# Altium PCB Tag201_GangProgrammerRev1.PcbDoc (part 2 of 7) (continued)
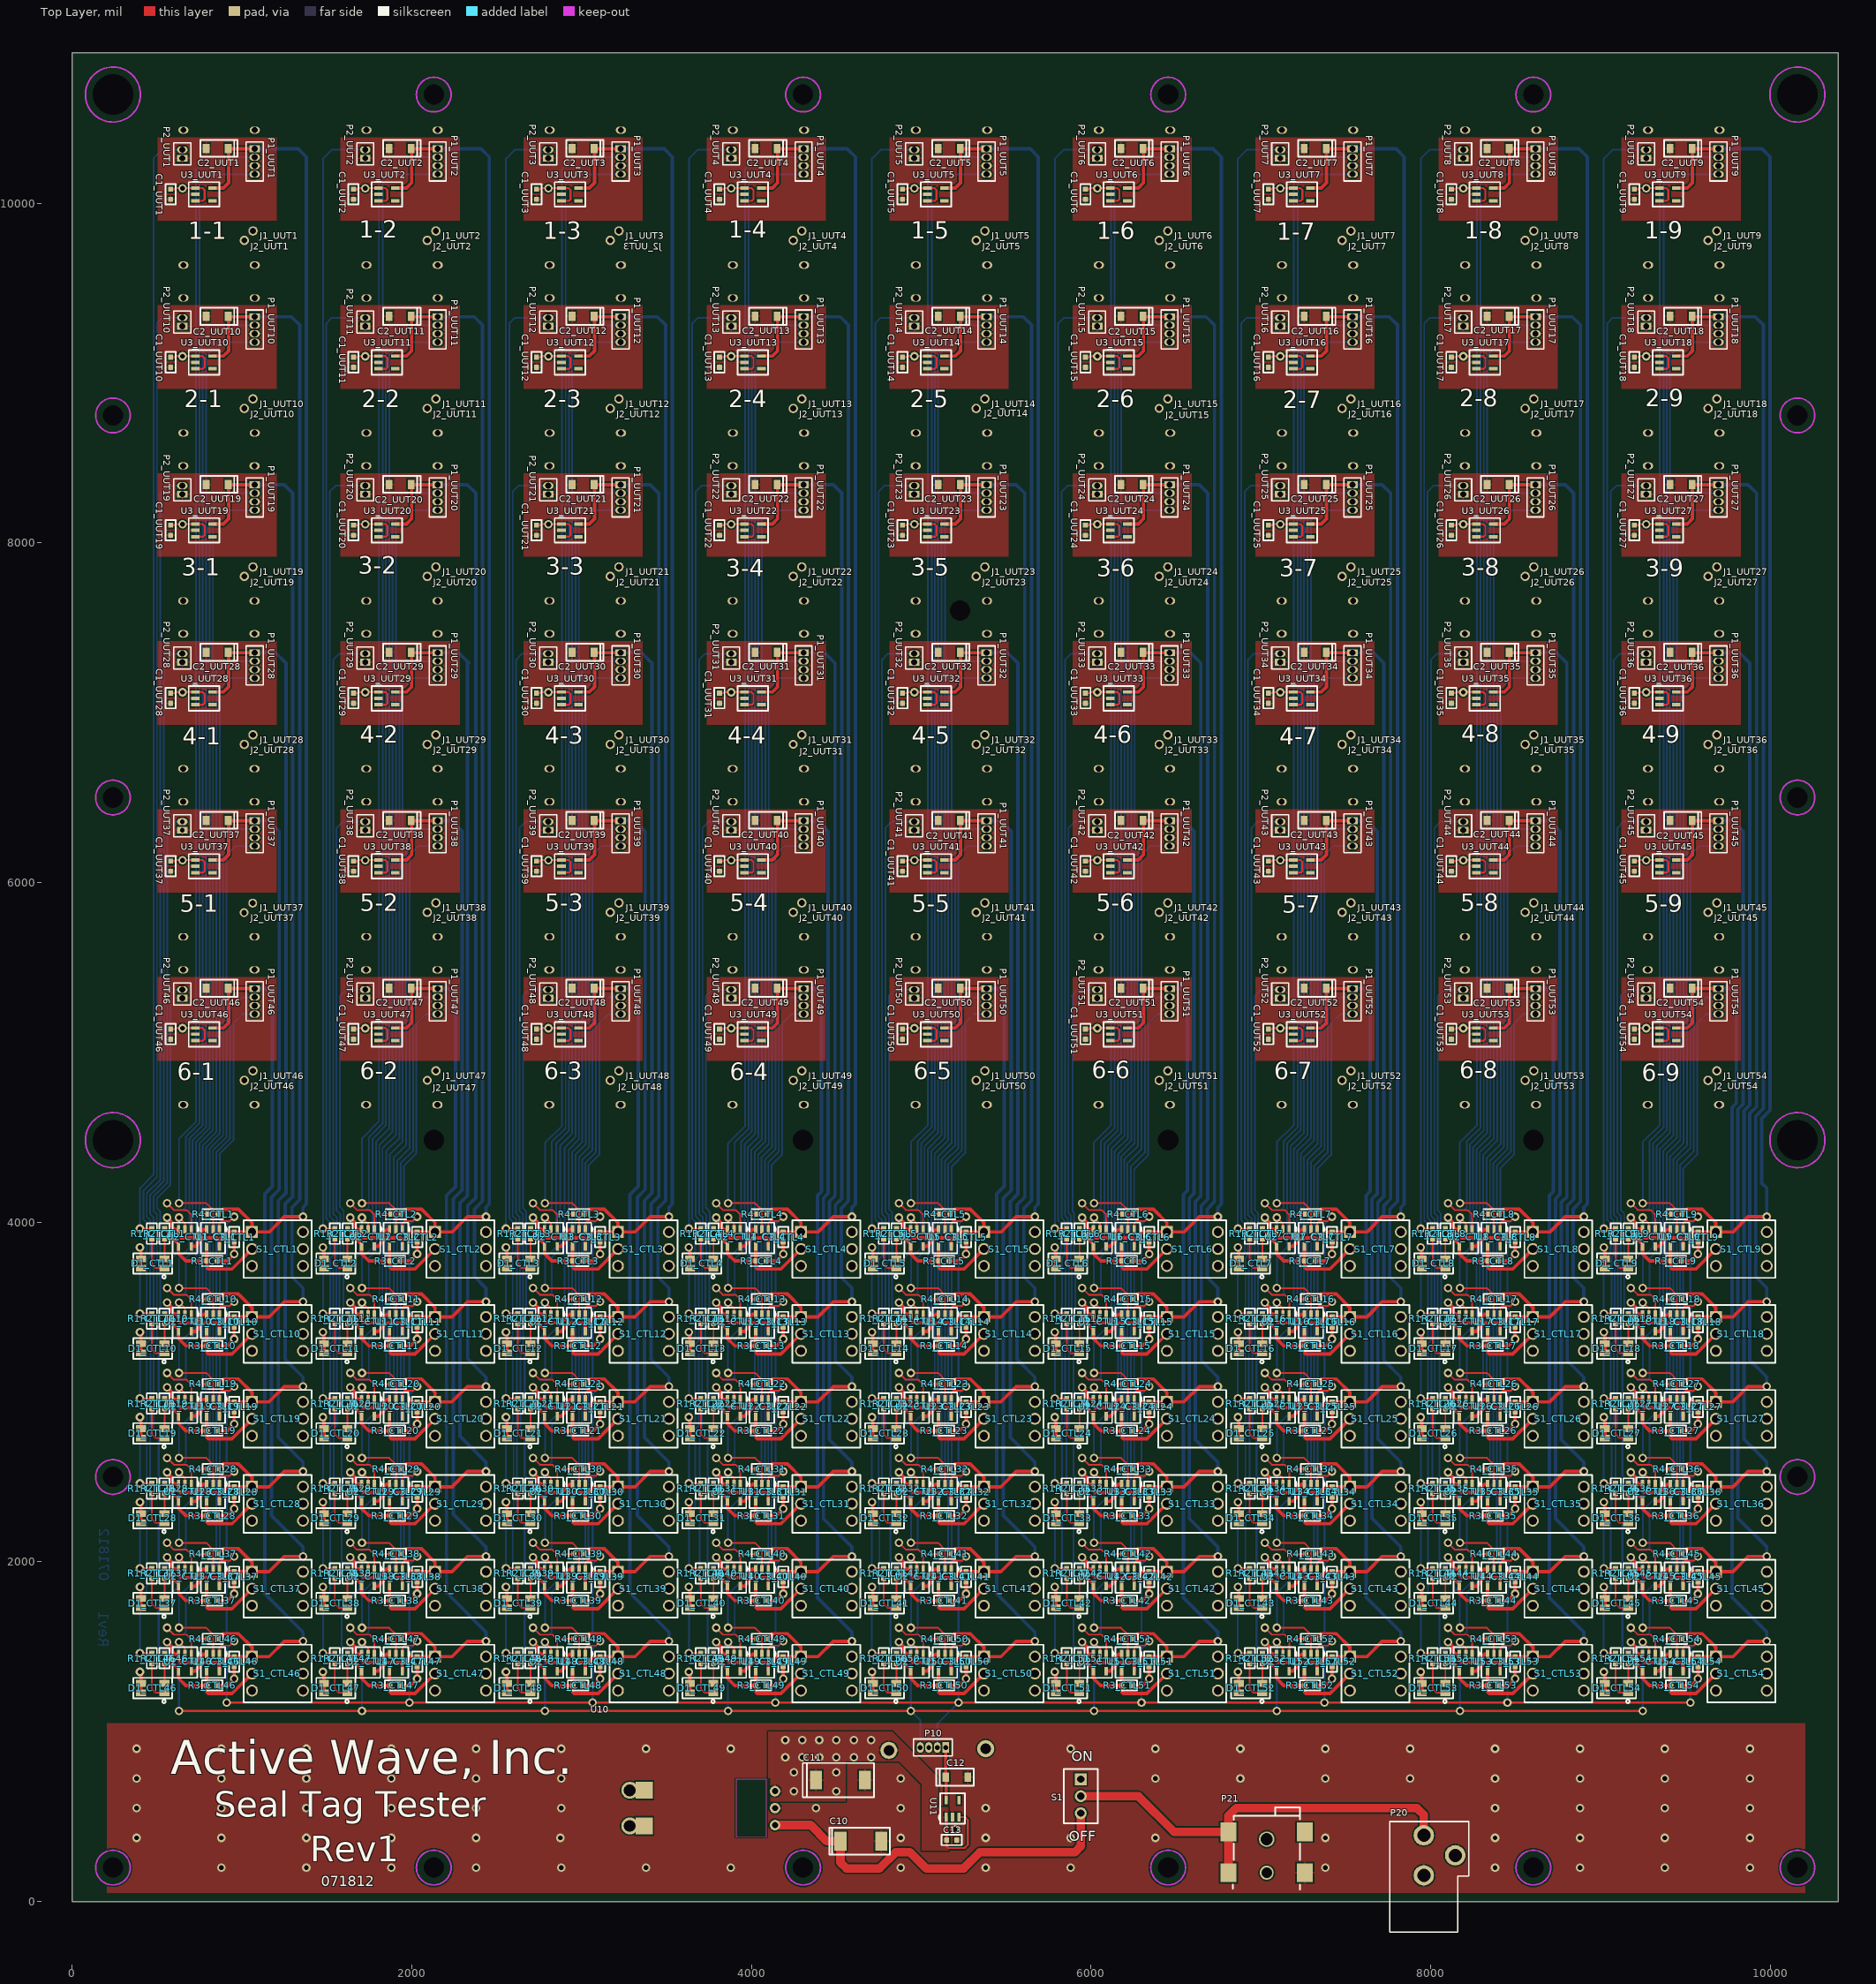
[diagram p0: Top Layer view]
## Components (designator, comment, footprint, x,y, rotation, side; value= is the part's Value field where it differs from the comment) (continued)
P2_UUT12 "1x2 50mil" "1X2 HEADER_50MIL_081611"#1 2803.5,9275 r90 top (schematic designator P2)
P2_UUT13 "1x2 50mil" "1X2 HEADER_50MIL_081611"#1 3881,9275 r90 top (schematic designator P2)
P2_UUT14 "1x2 50mil" "1X2 HEADER_50MIL_081611"#1 4958.5,9275 r90 top (schematic designator P2)
P2_UUT15 "1x2 50mil" "1X2 HEADER_50MIL_081611"#1 6036,9275 r90 top (schematic designator P2)
P2_UUT16 "1x2 50mil" "1X2 HEADER_50MIL_081611"#1 7113.5,9275 r90 top (schematic designator P2)
P2_UUT17 "1x2 50mil" "1X2 HEADER_50MIL_081611"#1 8191,9275 r90 top (schematic designator P2)
P2_UUT18 "1x2 50mil" "1X2 HEADER_50MIL_081611"#1 9268.5,9275 r90 top (schematic designator P2)
P2_UUT19 "1x2 50mil" "1X2 HEADER_50MIL_081611"#1 648.5,8286 r90 top (schematic designator P2)
P2_UUT20 "1x2 50mil" "1X2 HEADER_50MIL_081611"#1 1726,8286 r90 top (schematic designator P2)
P2_UUT21 "1x2 50mil" "1X2 HEADER_50MIL_081611"#1 2803.5,8286 r90 top (schematic designator P2)
P2_UUT22 "1x2 50mil" "1X2 HEADER_50MIL_081611"#1 3881,8286 r90 top (schematic designator P2)
P2_UUT23 "1x2 50mil" "1X2 HEADER_50MIL_081611"#1 4958.5,8286 r90 top (schematic designator P2)
P2_UUT24 "1x2 50mil" "1X2 HEADER_50MIL_081611"#1 6036,8286 r90 top (schematic designator P2)
P2_UUT25 "1x2 50mil" "1X2 HEADER_50MIL_081611"#1 7113.5,8286 r90 top (schematic designator P2)
P2_UUT26 "1x2 50mil" "1X2 HEADER_50MIL_081611"#1 8191,8286 r90 top (schematic designator P2)
P2_UUT27 "1x2 50mil" "1X2 HEADER_50MIL_081611"#1 9268.5,8286 r90 top (schematic designator P2)
P2_UUT28 "1x2 50mil" "1X2 HEADER_50MIL_081611"#1 648.5,7297 r90 top (schematic designator P2)
P2_UUT29 "1x2 50mil" "1X2 HEADER_50MIL_081611"#1 1726,7297 r90 top (schematic designator P2)
P2_UUT30 "1x2 50mil" "1X2 HEADER_50MIL_081611"#1 2803.5,7297 r90 top (schematic designator P2)
P2_UUT31 "1x2 50mil" "1X2 HEADER_50MIL_081611"#1 3881,7297 r90 top (schematic designator P2)
P2_UUT32 "1x2 50mil" "1X2 HEADER_50MIL_081611"#1 4958.5,7297 r90 top (schematic designator P2)
P2_UUT33 "1x2 50mil" "1X2 HEADER_50MIL_081611"#1 6036,7297 r90 top (schematic designator P2)
P2_UUT34 "1x2 50mil" "1X2 HEADER_50MIL_081611"#1 7113.5,7297 r90 top (schematic designator P2)
P2_UUT35 "1x2 50mil" "1X2 HEADER_50MIL_081611"#1 8191,7297 r90 top (schematic designator P2)
P2_UUT36 "1x2 50mil" "1X2 HEADER_50MIL_081611"#1 9268.5,7297 r90 top (schematic designator P2)
P2_UUT37 "1x2 50mil" "1X2 HEADER_50MIL_081611"#2 648.5,6308 r90 top (schematic designator P2)
P2_UUT38 "1x2 50mil" "1X2 HEADER_50MIL_081611"#1 1726,6308 r90 top (schematic designator P2)
P2_UUT39 "1x2 50mil" "1X2 HEADER_50MIL_081611"#1 2803.5,6308 r90 top (schematic designator P2)
P2_UUT40 "1x2 50mil" "1X2 HEADER_50MIL_081611"#1 3881,6308 r90 top (schematic designator P2)
P2_UUT41 "1x2 50mil" "1X2 HEADER_50MIL_081611"#1 4958.5,6308 r90 top (schematic designator P2)
P2_UUT42 "1x2 50mil" "1X2 HEADER_50MIL_081611"#1 6036,6308 r90 top (schematic designator P2)
P2_UUT43 "1x2 50mil" "1X2 HEADER_50MIL_081611"#1 7113.5,6308 r90 top (schematic designator P2)
P2_UUT44 "1x2 50mil" "1X2 HEADER_50MIL_081611"#1 8191,6308 r90 top (schematic designator P2)
P2_UUT45 "1x2 50mil" "1X2 HEADER_50MIL_081611"#1 9268.5,6308 r90 top (schematic designator P2)
P2_UUT46 "1x2 50mil" "1X2 HEADER_50MIL_081611"#1 648.5,5319 r90 top (schematic designator P2)
P2_UUT47 "1x2 50mil" "1X2 HEADER_50MIL_081611"#1 1726,5319 r90 top (schematic designator P2)
P2_UUT48 "1x2 50mil" "1X2 HEADER_50MIL_081611"#1 2803.5,5319 r90 top (schematic designator P2)
P2_UUT49 "1x2 50mil" "1X2 HEADER_50MIL_081611"#1 3881,5319 r90 top (schematic designator P2)
P2_UUT50 "1x2 50mil" "1X2 HEADER_50MIL_081611"#1 4958.5,5319 r90 top (schematic designator P2)
P2_UUT51 "1x2 50mil" "1X2 HEADER_50MIL_081611"#1 6036,5319 r90 top (schematic designator P2)
P2_UUT52 "1x2 50mil" "1X2 HEADER_50MIL_081611"#1 7113.5,5319 r90 top (schematic designator P2)
P2_UUT53 "1x2 50mil" "1X2 HEADER_50MIL_081611"#1 8191,5319 r90 top (schematic designator P2)
P2_UUT54 "1x2 50mil" "1X2 HEADER_50MIL_081611"#1 9268.5,5319 r90 top (schematic designator P2)
P10 "1x4 50mil" "1X4 HEADER_50mil_071411"#2 5144,907 r180 top
P20 "CON3" "POWER JACK_SMALLHOLE_022110" 7959,390 r0 top
P21 "CON3" "POWER JACK_SMT_071312" 7034,170 r0 top
R1_CTL1 "130" 0603_072205 469,3932 r90 top (schematic designator R1)
R1_CTL2 "130" 0603_072205 1546.5,3932 r90 top (schematic designator R1)
R1_CTL3 "130" 0603_072205 2624,3932 r90 top (schematic designator R1)
R1_CTL4 "130" 0603_072205 3701.5,3932 r90 top (schematic designator R1)
R1_CTL5 "130" 0603_072205 4779,3932 r90 top (schematic designator R1)
R1_CTL6 "130" 0603_072205 5856.5,3932 r90 top (schematic designator R1)
R1_CTL7 "130" 0603_072205 6934,3932 r90 top (schematic designator R1)
R1_CTL8 "130" 0603_072205 8011.5,3932 r90 top (schematic designator R1)
R1_CTL9 "130" 0603_072205 9089,3932 r90 top (schematic designator R1)
R1_CTL10 "130" 0603_072205 469,3432 r90 top (schematic designator R1)
R1_CTL11 "130" 0603_072205 1546.5,3432 r90 top (schematic designator R1)
R1_CTL12 "130" 0603_072205 2624,3432 r90 top (schematic designator R1)
R1_CTL13 "130" 0603_072205 3701.5,3432 r90 top (schematic designator R1)
R1_CTL14 "130" 0603_072205 4779,3432 r90 top (schematic designator R1)
R1_CTL15 "130" 0603_072205 5856.5,3432 r90 top (schematic designator R1)
R1_CTL16 "130" 0603_072205 6934,3432 r90 top (schematic designator R1)
R1_CTL17 "130" 0603_072205 8011.5,3432 r90 top (schematic designator R1)
R1_CTL18 "130" 0603_072205 9089,3432 r90 top (schematic designator R1)
R1_CTL19 "130" 0603_072205 469,2932 r90 top (schematic designator R1)
R1_CTL20 "130" 0603_072205 1546.5,2932 r90 top (schematic designator R1)
R1_CTL21 "130" 0603_072205 2624,2932 r90 top (schematic designator R1)
R1_CTL22 "130" 0603_072205 3701.5,2932 r90 top (schematic designator R1)
R1_CTL23 "130" 0603_072205 4779,2932 r90 top (schematic designator R1)
R1_CTL24 "130" 0603_072205 5856.5,2932 r90 top (schematic designator R1)
R1_CTL25 "130" 0603_072205 6934,2932 r90 top (schematic designator R1)
R1_CTL26 "130" 0603_072205 8011.5,2932 r90 top (schematic designator R1)
R1_CTL27 "130" 0603_072205 9089,2932 r90 top (schematic designator R1)
R1_CTL28 "130" 0603_072205 469,2432 r90 top (schematic designator R1)
R1_CTL29 "130" 0603_072205 1546.5,2432 r90 top (schematic designator R1)
R1_CTL30 "130" 0603_072205 2624,2432 r90 top (schematic designator R1)
R1_CTL31 "130" 0603_072205 3701.5,2432 r90 top (schematic designator R1)
R1_CTL32 "130" 0603_072205 4779,2432 r90 top (schematic designator R1)
R1_CTL33 "130" 0603_072205 5856.5,2432 r90 top (schematic designator R1)
R1_CTL34 "130" 0603_072205 6934,2432 r90 top (schematic designator R1)
R1_CTL35 "130" 0603_072205 8011.5,2432 r90 top (schematic designator R1)
R1_CTL36 "130" 0603_072205 9089,2432 r90 top (schematic designator R1)
R1_CTL37 "130" 0603_072205 469,1932 r90 top (schematic designator R1)
R1_CTL38 "130" 0603_072205 1546.5,1932 r90 top (schematic designator R1)
R1_CTL39 "130" 0603_072205 2624,1932 r90 top (schematic designator R1)
R1_CTL40 "130" 0603_072205 3701.5,1932 r90 top (schematic designator R1)
R1_CTL41 "130" 0603_072205 4779,1932 r90 top (schematic designator R1)
R1_CTL42 "130" 0603_072205 5856.5,1932 r90 top (schematic designator R1)
R1_CTL43 "130" 0603_072205 6934,1932 r90 top (schematic designator R1)
R1_CTL44 "130" 0603_072205 8011.5,1932 r90 top (schematic designator R1)
R1_CTL45 "130" 0603_072205 9089,1932 r90 top (schematic designator R1)
R1_CTL46 "130" 0603_072205 469,1432 r90 top (schematic designator R1)
R1_CTL47 "130" 0603_072205 1546.5,1432 r90 top (schematic designator R1)
R1_CTL48 "130" 0603_072205 2624,1432 r90 top (schematic designator R1)
R1_CTL49 "130" 0603_072205 3701.5,1432 r90 top (schematic designator R1)
R1_CTL50 "130" 0603_072205 4779,1432 r90 top (schematic designator R1)
R1_CTL51 "130" 0603_072205 5856.5,1432 r90 top (schematic designator R1)
R1_CTL52 "130" 0603_072205 6934,1432 r90 top (schematic designator R1)
R1_CTL53 "130" 0603_072205 8011.5,1432 r90 top (schematic designator R1)
R1_CTL54 "130" 0603_072205 9089,1432 r90 top (schematic designator R1)
R2_CTL1 "130" 0603_072205 544,3932 r90 top (schematic designator R2)
R2_CTL2 "130" 0603_072205 1621.5,3932 r90 top (schematic designator R2)
R2_CTL3 "130" 0603_072205 2699,3932 r90 top (schematic designator R2)
R2_CTL4 "130" 0603_072205 3776.5,3932 r90 top (schematic designator R2)
R2_CTL5 "130" 0603_072205 4854,3932 r90 top (schematic designator R2)
R2_CTL6 "130" 0603_072205 5931.5,3932 r90 top (schematic designator R2)
R2_CTL7 "130" 0603_072205 7009,3932 r90 top (schematic designator R2)
R2_CTL8 "130" 0603_072205 8086.5,3932 r90 top (schematic designator R2)
R2_CTL9 "130" 0603_072205 9164,3932 r90 top (schematic designator R2)
R2_CTL10 "130" 0603_072205 544,3432 r90 top (schematic designator R2)
R2_CTL11 "130" 0603_072205 1621.5,3432 r90 top (schematic designator R2)
R2_CTL12 "130" 0603_072205 2699,3432 r90 top (schematic designator R2)
R2_CTL13 "130" 0603_072205 3776.5,3432 r90 top (schematic designator R2)
R2_CTL14 "130" 0603_072205 4854,3432 r90 top (schematic designator R2)
R2_CTL15 "130" 0603_072205 5931.5,3432 r90 top (schematic designator R2)
R2_CTL16 "130" 0603_072205 7009,3432 r90 top (schematic designator R2)
R2_CTL17 "130" 0603_072205 8086.5,3432 r90 top (schematic designator R2)
R2_CTL18 "130" 0603_072205 9164,3432 r90 top (schematic designator R2)
R2_CTL19 "130" 0603_072205 544,2932 r90 top (schematic designator R2)
R2_CTL20 "130" 0603_072205 1621.5,2932 r90 top (schematic designator R2)
R2_CTL21 "130" 0603_072205 2699,2932 r90 top (schematic designator R2)
R2_CTL22 "130" 0603_072205 3776.5,2932 r90 top (schematic designator R2)
R2_CTL23 "130" 0603_072205 4854,2932 r90 top (schematic designator R2)
R2_CTL24 "130" 0603_072205 5931.5,2932 r90 top (schematic designator R2)
R2_CTL25 "130" 0603_072205 7009,2932 r90 top (schematic designator R2)
R2_CTL26 "130" 0603_072205 8086.5,2932 r90 top (schematic designator R2)
R2_CTL27 "130" 0603_072205 9164,2932 r90 top (schematic designator R2)
R2_CTL28 "130" 0603_072205 544,2432 r90 top (schematic designator R2)
R2_CTL29 "130" 0603_072205 1621.5,2432 r90 top (schematic designator R2)
R2_CTL30 "130" 0603_072205 2699,2432 r90 top (schematic designator R2)
R2_CTL31 "130" 0603_072205 3776.5,2432 r90 top (schematic designator R2)
R2_CTL32 "130" 0603_072205 4854,2432 r90 top (schematic designator R2)
R2_CTL33 "130" 0603_072205 5931.5,2432 r90 top (schematic designator R2)
R2_CTL34 "130" 0603_072205 7009,2432 r90 top (schematic designator R2)
R2_CTL35 "130" 0603_072205 8086.5,2432 r90 top (schematic designator R2)
R2_CTL36 "130" 0603_072205 9164,2432 r90 top (schematic designator R2)
R2_CTL37 "130" 0603_072205 544,1932 r90 top (schematic designator R2)
R2_CTL38 "130" 0603_072205 1621.5,1932 r90 top (schematic designator R2)
R2_CTL39 "130" 0603_072205 2699,1932 r90 top (schematic designator R2)
R2_CTL40 "130" 0603_072205 3776.5,1932 r90 top (schematic designator R2)
R2_CTL41 "130" 0603_072205 4854,1932 r90 top (schematic designator R2)
R2_CTL42 "130" 0603_072205 5931.5,1932 r90 top (schematic designator R2)
R2_CTL43 "130" 0603_072205 7009,1932 r90 top (schematic designator R2)
R2_CTL44 "130" 0603_072205 8086.5,1932 r90 top (schematic designator R2)
R2_CTL45 "130" 0603_072205 9164,1932 r90 top (schematic designator R2)
R2_CTL46 "130" 0603_072205 544,1432 r90 top (schematic designator R2)
R2_CTL47 "130" 0603_072205 1621.5,1432 r90 top (schematic designator R2)
R2_CTL48 "130" 0603_072205 2699,1432 r90 top (schematic designator R2)
R2_CTL49 "130" 0603_072205 3776.5,1432 r90 top (schematic designator R2)
R2_CTL50 "130" 0603_072205 4854,1432 r90 top (schematic designator R2)
R2_CTL51 "130" 0603_072205 5931.5,1432 r90 top (schematic designator R2)
R2_CTL52 "130" 0603_072205 7009,1432 r90 top (schematic designator R2)
R2_CTL53 "130" 0603_072205 8086.5,1432 r90 top (schematic designator R2)
R2_CTL54 "130" 0603_072205 9164,1432 r90 top (schematic designator R2)
R3_CTL1 "1K" 0603_072205 824,3772 r0 top (schematic designator R3)
R3_CTL2 "1K" 0603_072205 1901.5,3772 r0 top (schematic designator R3)
R3_CTL3 "1K" 0603_072205 2979,3772 r0 top (schematic designator R3)
R3_CTL4 "1K" 0603_072205 4056.5,3772 r0 top (schematic designator R3)
R3_CTL5 "1K" 0603_072205 5134,3772 r0 top (schematic designator R3)
R3_CTL6 "1K" 0603_072205 6211.5,3772 r0 top (schematic designator R3)
R3_CTL7 "1K" 0603_072205 7289,3772 r0 top (schematic designator R3)
R3_CTL8 "1K" 0603_072205 8366.5,3772 r0 top (schematic designator R3)
R3_CTL9 "1K" 0603_072205 9444,3772 r0 top (schematic designator R3)
R3_CTL10 "1K" 0603_072205 824,3272 r0 top (schematic designator R3)
R3_CTL11 "1K" 0603_072205 1901.5,3272 r0 top (schematic designator R3)
R3_CTL12 "1K" 0603_072205 2979,3272 r0 top (schematic designator R3)
R3_CTL13 "1K" 0603_072205 4056.5,3272 r0 top (schematic designator R3)
R3_CTL14 "1K" 0603_072205 5134,3272 r0 top (schematic designator R3)
R3_CTL15 "1K" 0603_072205 6211.5,3272 r0 top (schematic designator R3)
R3_CTL16 "1K" 0603_072205 7289,3272 r0 top (schematic designator R3)
R3_CTL17 "1K" 0603_072205 8366.5,3272 r0 top (schematic designator R3)
R3_CTL18 "1K" 0603_072205 9444,3272 r0 top (schematic designator R3)
R3_CTL19 "1K" 0603_072205 824,2772 r0 top (schematic designator R3)
R3_CTL20 "1K" 0603_072205 1901.5,2772 r0 top (schematic designator R3)
R3_CTL21 "1K" 0603_072205 2979,2772 r0 top (schematic designator R3)
R3_CTL22 "1K" 0603_072205 4056.5,2772 r0 top (schematic designator R3)
R3_CTL23 "1K" 0603_072205 5134,2772 r0 top (schematic designator R3)
R3_CTL24 "1K" 0603_072205 6211.5,2772 r0 top (schematic designator R3)
R3_CTL25 "1K" 0603_072205 7289,2772 r0 top (schematic designator R3)
R3_CTL26 "1K" 0603_072205 8366.5,2772 r0 top (schematic designator R3)
R3_CTL27 "1K" 0603_072205 9444,2772 r0 top (schematic designator R3)
R3_CTL28 "1K" 0603_072205 824,2272 r0 top (schematic designator R3)
R3_CTL29 "1K" 0603_072205 1901.5,2272 r0 top (schematic designator R3)
R3_CTL30 "1K" 0603_072205 2979,2272 r0 top (schematic designator R3)
R3_CTL31 "1K" 0603_072205 4056.5,2272 r0 top (schematic designator R3)
R3_CTL32 "1K" 0603_072205 5134,2272 r0 top (schematic designator R3)
R3_CTL33 "1K" 0603_072205 6211.5,2272 r0 top (schematic designator R3)
R3_CTL34 "1K" 0603_072205 7289,2272 r0 top (schematic designator R3)
R3_CTL35 "1K" 0603_072205 8366.5,2272 r0 top (schematic designator R3)
R3_CTL36 "1K" 0603_072205 9444,2272 r0 top (schematic designator R3)
R3_CTL37 "1K" 0603_072205 824,1772 r0 top (schematic designator R3)
R3_CTL38 "1K" 0603_072205 1901.5,1772 r0 top (schematic designator R3)
R3_CTL39 "1K" 0603_072205 2979,1772 r0 top (schematic designator R3)
R3_CTL40 "1K" 0603_072205 4056.5,1772 r0 top (schematic designator R3)
R3_CTL41 "1K" 0603_072205 5134,1772 r0 top (schematic designator R3)
R3_CTL42 "1K" 0603_072205 6211.5,1772 r0 top (schematic designator R3)
R3_CTL43 "1K" 0603_072205 7289,1772 r0 top (schematic designator R3)
R3_CTL44 "1K" 0603_072205 8366.5,1772 r0 top (schematic designator R3)
R3_CTL45 "1K" 0603_072205 9444,1772 r0 top (schematic designator R3)
R3_CTL46 "1K" 0603_072205 824,1272 r0 top (schematic designator R3)
R3_CTL47 "1K" 0603_072205 1901.5,1272 r0 top (schematic designator R3)
R3_CTL48 "1K" 0603_072205 2979,1272 r0 top (schematic designator R3)
R3_CTL49 "1K" 0603_072205 4056.5,1272 r0 top (schematic designator R3)
R3_CTL50 "1K" 0603_072205 5134,1272 r0 top (schematic designator R3)
R3_CTL51 "1K" 0603_072205 6211.5,1272 r0 top (schematic designator R3)
R3_CTL52 "1K" 0603_072205 7289,1272 r0 top (schematic designator R3)
R3_CTL53 "1K" 0603_072205 8366.5,1272 r0 top (schematic designator R3)
R3_CTL54 "1K" 0603_072205 9444,1272 r0 top (schematic designator R3)
R4_CTL1 "1K" 0603_072205 829,4047 r180 top (schematic designator R4)
R4_CTL2 "1K" 0603_072205 1906.5,4047 r180 top (schematic designator R4)
R4_CTL3 "1K" 0603_072205 2984,4047 r180 top (schematic designator R4)
R4_CTL4 "1K" 0603_072205 4061.5,4047 r180 top (schematic designator R4)
R4_CTL5 "1K" 0603_072205 5139,4047 r180 top (schematic designator R4)
R4_CTL6 "1K" 0603_072205 6216.5,4047 r180 top (schematic designator R4)
R4_CTL7 "1K" 0603_072205 7294,4047 r180 top (schematic designator R4)
R4_CTL8 "1K" 0603_072205 8371.5,4047 r180 top (schematic designator R4)
R4_CTL9 "1K" 0603_072205 9449,4047 r180 top (schematic designator R4)
R4_CTL10 "1K" 0603_072205 829,3547 r180 top (schematic designator R4)
R4_CTL11 "1K" 0603_072205 1906.5,3547 r180 top (schematic designator R4)
R4_CTL12 "1K" 0603_072205 2984,3547 r180 top (schematic designator R4)
R4_CTL13 "1K" 0603_072205 4061.5,3547 r180 top (schematic designator R4)
R4_CTL14 "1K" 0603_072205 5139,3547 r180 top (schematic designator R4)
R4_CTL15 "1K" 0603_072205 6216.5,3547 r180 top (schematic designator R4)
R4_CTL16 "1K" 0603_072205 7294,3547 r180 top (schematic designator R4)
R4_CTL17 "1K" 0603_072205 8371.5,3547 r180 top (schematic designator R4)
R4_CTL18 "1K" 0603_072205 9449,3547 r180 top (schematic designator R4)
R4_CTL19 "1K" 0603_072205 829,3047 r180 top (schematic designator R4)
R4_CTL20 "1K" 0603_072205 1906.5,3047 r180 top (schematic designator R4)
R4_CTL21 "1K" 0603_072205 2984,3047 r180 top (schematic designator R4)
R4_CTL22 "1K" 0603_072205 4061.5,3047 r180 top (schematic designator R4)
R4_CTL23 "1K" 0603_072205 5139,3047 r180 top (schematic designator R4)
R4_CTL24 "1K" 0603_072205 6216.5,3047 r180 top (schematic designator R4)
R4_CTL25 "1K" 0603_072205 7294,3047 r180 top (schematic designator R4)
R4_CTL26 "1K" 0603_072205 8371.5,3047 r180 top (schematic designator R4)
R4_CTL27 "1K" 0603_072205 9449,3047 r180 top (schematic designator R4)
R4_CTL28 "1K" 0603_072205 829,2547 r180 top (schematic designator R4)
R4_CTL29 "1K" 0603_072205 1906.5,2547 r180 top (schematic designator R4)
R4_CTL30 "1K" 0603_072205 2984,2547 r180 top (schematic designator R4)
R4_CTL31 "1K" 0603_072205 4061.5,2547 r180 top (schematic designator R4)
R4_CTL32 "1K" 0603_072205 5139,2547 r180 top (schematic designator R4)
R4_CTL33 "1K" 0603_072205 6216.5,2547 r180 top (schematic designator R4)
R4_CTL34 "1K" 0603_072205 7294,2547 r180 top (schematic designator R4)
R4_CTL35 "1K" 0603_072205 8371.5,2547 r180 top (schematic designator R4)
R4_CTL36 "1K" 0603_072205 9449,2547 r180 top (schematic designator R4)
R4_CTL37 "1K" 0603_072205 829,2047 r180 top (schematic designator R4)
R4_CTL38 "1K" 0603_072205 1906.5,2047 r180 top (schematic designator R4)
R4_CTL39 "1K" 0603_072205 2984,2047 r180 top (schematic designator R4)
R4_CTL40 "1K" 0603_072205 4061.5,2047 r180 top (schematic designator R4)
R4_CTL41 "1K" 0603_072205 5139,2047 r180 top (schematic designator R4)
R4_CTL42 "1K" 0603_072205 6216.5,2047 r180 top (schematic designator R4)
R4_CTL43 "1K" 0603_072205 7294,2047 r180 top (schematic designator R4)
R4_CTL44 "1K" 0603_072205 8371.5,2047 r180 top (schematic designator R4)
R4_CTL45 "1K" 0603_072205 9449,2047 r180 top (schematic designator R4)
R4_CTL46 "1K" 0603_072205 829,1547 r180 top (schematic designator R4)
R4_CTL47 "1K" 0603_072205 1906.5,1547 r180 top (schematic designator R4)
R4_CTL48 "1K" 0603_072205 2984,1547 r180 top (schematic designator R4)
R4_CTL49 "1K" 0603_072205 4061.5,1547 r180 top (schematic designator R4)
R4_CTL50 "1K" 0603_072205 5139,1547 r180 top (schematic designator R4)
R4_CTL51 "1K" 0603_072205 6216.5,1547 r180 top (schematic designator R4)
R4_CTL52 "1K" 0603_072205 7294,1547 r180 top (schematic designator R4)
R4_CTL53 "1K" 0603_072205 8371.5,1547 r180 top (schematic designator R4)
R4_CTL54 "1K" 0603_072205 9449,1547 r180 top (schematic designator R4)
S1 "SPDT" CnK_TseriesSPDT_Toggle_040512 5939,620 r270 top
S1_CTL1 "SPST" SwitchDPDT_6_061412 1209,3842 r0 top (schematic designator S1)
S1_CTL2 "SPST" SwitchDPDT_6_061412 2286.5,3842 r0 top (schematic designator S1)
S1_CTL3 "SPST" SwitchDPDT_6_061412 3364,3842 r0 top (schematic designator S1)
S1_CTL4 "SPST" SwitchDPDT_6_061412 4441.5,3842 r0 top (schematic designator S1)
S1_CTL5 "SPST" SwitchDPDT_6_061412 5519,3842 r0 top (schematic designator S1)
S1_CTL6 "SPST" SwitchDPDT_6_061412 6596.5,3842 r0 top (schematic designator S1)
S1_CTL7 "SPST" SwitchDPDT_6_061412 7674,3842 r0 top (schematic designator S1)
S1_CTL8 "SPST" SwitchDPDT_6_061412 8751.5,3842 r0 top (schematic designator S1)
S1_CTL9 "SPST" SwitchDPDT_6_061412 9829,3842 r0 top (schematic designator S1)
S1_CTL10 "SPST" SwitchDPDT_6_061412 1209,3342 r0 top (schematic designator S1)
S1_CTL11 "SPST" SwitchDPDT_6_061412 2286.5,3342 r0 top (schematic designator S1)
S1_CTL12 "SPST" SwitchDPDT_6_061412 3364,3342 r0 top (schematic designator S1)
S1_CTL13 "SPST" SwitchDPDT_6_061412 4441.5,3342 r0 top (schematic designator S1)
S1_CTL14 "SPST" SwitchDPDT_6_061412 5519,3342 r0 top (schematic designator S1)
S1_CTL15 "SPST" SwitchDPDT_6_061412 6596.5,3342 r0 top (schematic designator S1)
S1_CTL16 "SPST" SwitchDPDT_6_061412 7674,3342 r0 top (schematic designator S1)
S1_CTL17 "SPST" SwitchDPDT_6_061412 8751.5,3342 r0 top (schematic designator S1)
S1_CTL18 "SPST" SwitchDPDT_6_061412 9829,3342 r0 top (schematic designator S1)
S1_CTL19 "SPST" SwitchDPDT_6_061412 1209,2842 r0 top (schematic designator S1)
S1_CTL20 "SPST" SwitchDPDT_6_061412 2286.5,2842 r0 top (schematic designator S1)
S1_CTL21 "SPST" SwitchDPDT_6_061412 3364,2842 r0 top (schematic designator S1)
S1_CTL22 "SPST" SwitchDPDT_6_061412 4441.5,2842 r0 top (schematic designator S1)
S1_CTL23 "SPST" SwitchDPDT_6_061412 5519,2842 r0 top (schematic designator S1)
S1_CTL24 "SPST" SwitchDPDT_6_061412 6596.5,2842 r0 top (schematic designator S1)
S1_CTL25 "SPST" SwitchDPDT_6_061412 7674,2842 r0 top (schematic designator S1)
S1_CTL26 "SPST" SwitchDPDT_6_061412 8751.5,2842 r0 top (schematic designator S1)
S1_CTL27 "SPST" SwitchDPDT_6_061412 9829,2842 r0 top (schematic designator S1)
S1_CTL28 "SPST" SwitchDPDT_6_061412 1209,2342 r0 top (schematic designator S1)
S1_CTL29 "SPST" SwitchDPDT_6_061412 2286.5,2342 r0 top (schematic designator S1)
S1_CTL30 "SPST" SwitchDPDT_6_061412 3364,2342 r0 top (schematic designator S1)
S1_CTL31 "SPST" SwitchDPDT_6_061412 4441.5,2342 r0 top (schematic designator S1)
S1_CTL32 "SPST" SwitchDPDT_6_061412 5519,2342 r0 top (schematic designator S1)
S1_CTL33 "SPST" SwitchDPDT_6_061412 6596.5,2342 r0 top (schematic designator S1)
S1_CTL34 "SPST" SwitchDPDT_6_061412 7674,2342 r0 top (schematic designator S1)
S1_CTL35 "SPST" SwitchDPDT_6_061412 8751.5,2342 r0 top (schematic designator S1)
S1_CTL36 "SPST" SwitchDPDT_6_061412 9829,2342 r0 top (schematic designator S1)
S1_CTL37 "SPST" SwitchDPDT_6_061412 1209,1842 r0 top (schematic designator S1)
S1_CTL38 "SPST" SwitchDPDT_6_061412 2286.5,1842 r0 top (schematic designator S1)
S1_CTL39 "SPST" SwitchDPDT_6_061412 3364,1842 r0 top (schematic designator S1)
S1_CTL40 "SPST" SwitchDPDT_6_061412 4441.5,1842 r0 top (schematic designator S1)
S1_CTL41 "SPST" SwitchDPDT_6_061412 5519,1842 r0 top (schematic designator S1)
S1_CTL42 "SPST" SwitchDPDT_6_061412 6596.5,1842 r0 top (schematic designator S1)
S1_CTL43 "SPST" SwitchDPDT_6_061412 7674,1842 r0 top (schematic designator S1)
S1_CTL44 "SPST" SwitchDPDT_6_061412 8751.5,1842 r0 top (schematic designator S1)
S1_CTL45 "SPST" SwitchDPDT_6_061412 9829,1842 r0 top (schematic designator S1)
S1_CTL46 "SPST" SwitchDPDT_6_061412 1209,1342 r0 top (schematic designator S1)
S1_CTL47 "SPST" SwitchDPDT_6_061412 2286.5,1342 r0 top (schematic designator S1)
S1_CTL48 "SPST" SwitchDPDT_6_061412 3364,1342 r0 top (schematic designator S1)
S1_CTL49 "SPST" SwitchDPDT_6_061412 4441.5,1342 r0 top (schematic designator S1)
S1_CTL50 "SPST" SwitchDPDT_6_061412 5519,1342 r0 top (schematic designator S1)
S1_CTL51 "SPST" SwitchDPDT_6_061412 6596.5,1342 r0 top (schematic designator S1)
S1_CTL52 "SPST" SwitchDPDT_6_061412 7674,1342 r0 top (schematic designator S1)
S1_CTL53 "SPST" SwitchDPDT_6_061412 8751.5,1342 r0 top (schematic designator S1)
S1_CTL54 "SPST" SwitchDPDT_6_061412 9829,1342 r0 top (schematic designator S1)
U1_CTL1 "74LVC1G66" SOT25_030205 829,3907 r90 top (schematic designator U1)
U1_CTL2 "74LVC1G66" SOT25_030205 1906.5,3907 r90 top (schematic designator U1)
U1_CTL3 "74LVC1G66" SOT25_030205 2984,3907 r90 top (schematic designator U1)
U1_CTL4 "74LVC1G66" SOT25_030205 4061.5,3907 r90 top (schematic designator U1)
U1_CTL5 "74LVC1G66" SOT25_030205 5139,3907 r90 top (schematic designator U1)
U1_CTL6 "74LVC1G66" SOT25_030205 6216.5,3907 r90 top (schematic designator U1)
U1_CTL7 "74LVC1G66" SOT25_030205 7294,3907 r90 top (schematic designator U1)
U1_CTL8 "74LVC1G66" SOT25_030205 8371.5,3907 r90 top (schematic designator U1)
U1_CTL9 "74LVC1G66" SOT25_030205 9449,3907 r90 top (schematic designator U1)
U1_CTL10 "74LVC1G66" SOT25_030205 829,3407 r90 top (schematic designator U1)
U1_CTL11 "74LVC1G66" SOT25_030205 1906.5,3407 r90 top (schematic designator U1)
U1_CTL12 "74LVC1G66" SOT25_030205 2984,3407 r90 top (schematic designator U1)
U1_CTL13 "74LVC1G66" SOT25_030205 4061.5,3407 r90 top (schematic designator U1)
U1_CTL14 "74LVC1G66" SOT25_030205 5139,3407 r90 top (schematic designator U1)
U1_CTL15 "74LVC1G66" SOT25_030205 6216.5,3407 r90 top (schematic designator U1)
U1_CTL16 "74LVC1G66" SOT25_030205 7294,3407 r90 top (schematic designator U1)
U1_CTL17 "74LVC1G66" SOT25_030205 8371.5,3407 r90 top (schematic designator U1)
U1_CTL18 "74LVC1G66" SOT25_030205 9449,3407 r90 top (schematic designator U1)
U1_CTL19 "74LVC1G66" SOT25_030205 829,2907 r90 top (schematic designator U1)
U1_CTL20 "74LVC1G66" SOT25_030205 1906.5,2907 r90 top (schematic designator U1)
U1_CTL21 "74LVC1G66" SOT25_030205 2984,2907 r90 top (schematic designator U1)
U1_CTL22 "74LVC1G66" SOT25_030205 4061.5,2907 r90 top (schematic designator U1)
U1_CTL23 "74LVC1G66" SOT25_030205 5139,2907 r90 top (schematic designator U1)
U1_CTL24 "74LVC1G66" SOT25_030205 6216.5,2907 r90 top (schematic designator U1)
U1_CTL25 "74LVC1G66" SOT25_030205 7294,2907 r90 top (schematic designator U1)
U1_CTL26 "74LVC1G66" SOT25_030205 8371.5,2907 r90 top (schematic designator U1)
U1_CTL27 "74LVC1G66" SOT25_030205 9449,2907 r90 top (schematic designator U1)
U1_CTL28 "74LVC1G66" SOT25_030205 829,2407 r90 top (schematic designator U1)
U1_CTL29 "74LVC1G66" SOT25_030205 1906.5,2407 r90 top (schematic designator U1)
U1_CTL30 "74LVC1G66" SOT25_030205 2984,2407 r90 top (schematic designator U1)
U1_CTL31 "74LVC1G66" SOT25_030205 4061.5,2407 r90 top (schematic designator U1)
U1_CTL32 "74LVC1G66" SOT25_030205 5139,2407 r90 top (schematic designator U1)
U1_CTL33 "74LVC1G66" SOT25_030205 6216.5,2407 r90 top (schematic designator U1)
U1_CTL34 "74LVC1G66" SOT25_030205 7294,2407 r90 top (schematic designator U1)
U1_CTL35 "74LVC1G66" SOT25_030205 8371.5,2407 r90 top (schematic designator U1)
U1_CTL36 "74LVC1G66" SOT25_030205 9449,2407 r90 top (schematic designator U1)
U1_CTL37 "74LVC1G66" SOT25_030205 829,1907 r90 top (schematic designator U1)
U1_CTL38 "74LVC1G66" SOT25_030205 1906.5,1907 r90 top (schematic designator U1)
U1_CTL39 "74LVC1G66" SOT25_030205 2984,1907 r90 top (schematic designator U1)
U1_CTL40 "74LVC1G66" SOT25_030205 4061.5,1907 r90 top (schematic designator U1)
U1_CTL41 "74LVC1G66" SOT25_030205 5139,1907 r90 top (schematic designator U1)
U1_CTL42 "74LVC1G66" SOT25_030205 6216.5,1907 r90 top (schematic designator U1)
U1_CTL43 "74LVC1G66" SOT25_030205 7294,1907 r90 top (schematic designator U1)
U1_CTL44 "74LVC1G66" SOT25_030205 8371.5,1907 r90 top (schematic designator U1)
U1_CTL45 "74LVC1G66" SOT25_030205 9449,1907 r90 top (schematic designator U1)
U1_CTL46 "74LVC1G66" SOT25_030205 829,1407 r90 top (schematic designator U1)
U1_CTL47 "74LVC1G66" SOT25_030205 1906.5,1407 r90 top (schematic designator U1)
U1_CTL48 "74LVC1G66" SOT25_030205 2984,1407 r90 top (schematic designator U1)
U1_CTL49 "74LVC1G66" SOT25_030205 4061.5,1407 r90 top (schematic designator U1)
U1_CTL50 "74LVC1G66" SOT25_030205 5139,1407 r90 top (schematic designator U1)
U1_CTL51 "74LVC1G66" SOT25_030205 6216.5,1407 r90 top (schematic designator U1)
U1_CTL52 "74LVC1G66" SOT25_030205 7294,1407 r90 top (schematic designator U1)
U1_CTL53 "74LVC1G66" SOT25_030205 8371.5,1407 r90 top (schematic designator U1)
U1_CTL54 "74LVC1G66" SOT25_030205 9449,1407 r90 top (schematic designator U1)
U2_CTL1 "74LVC1G66" SOT25_030205 664,3907 r90 top (schematic designator U2)
U2_CTL2 "74LVC1G66" SOT25_030205 1741.5,3907 r90 top (schematic designator U2)
U2_CTL3 "74LVC1G66" SOT25_030205 2819,3907 r90 top (schematic designator U2)
U2_CTL4 "74LVC1G66" SOT25_030205 3896.5,3907 r90 top (schematic designator U2)
U2_CTL5 "74LVC1G66" SOT25_030205 4974,3907 r90 top (schematic designator U2)
U2_CTL6 "74LVC1G66" SOT25_030205 6051.5,3907 r90 top (schematic designator U2)
U2_CTL7 "74LVC1G66" SOT25_030205 7129,3907 r90 top (schematic designator U2)